# Allegro board LAY-93440_A.brd
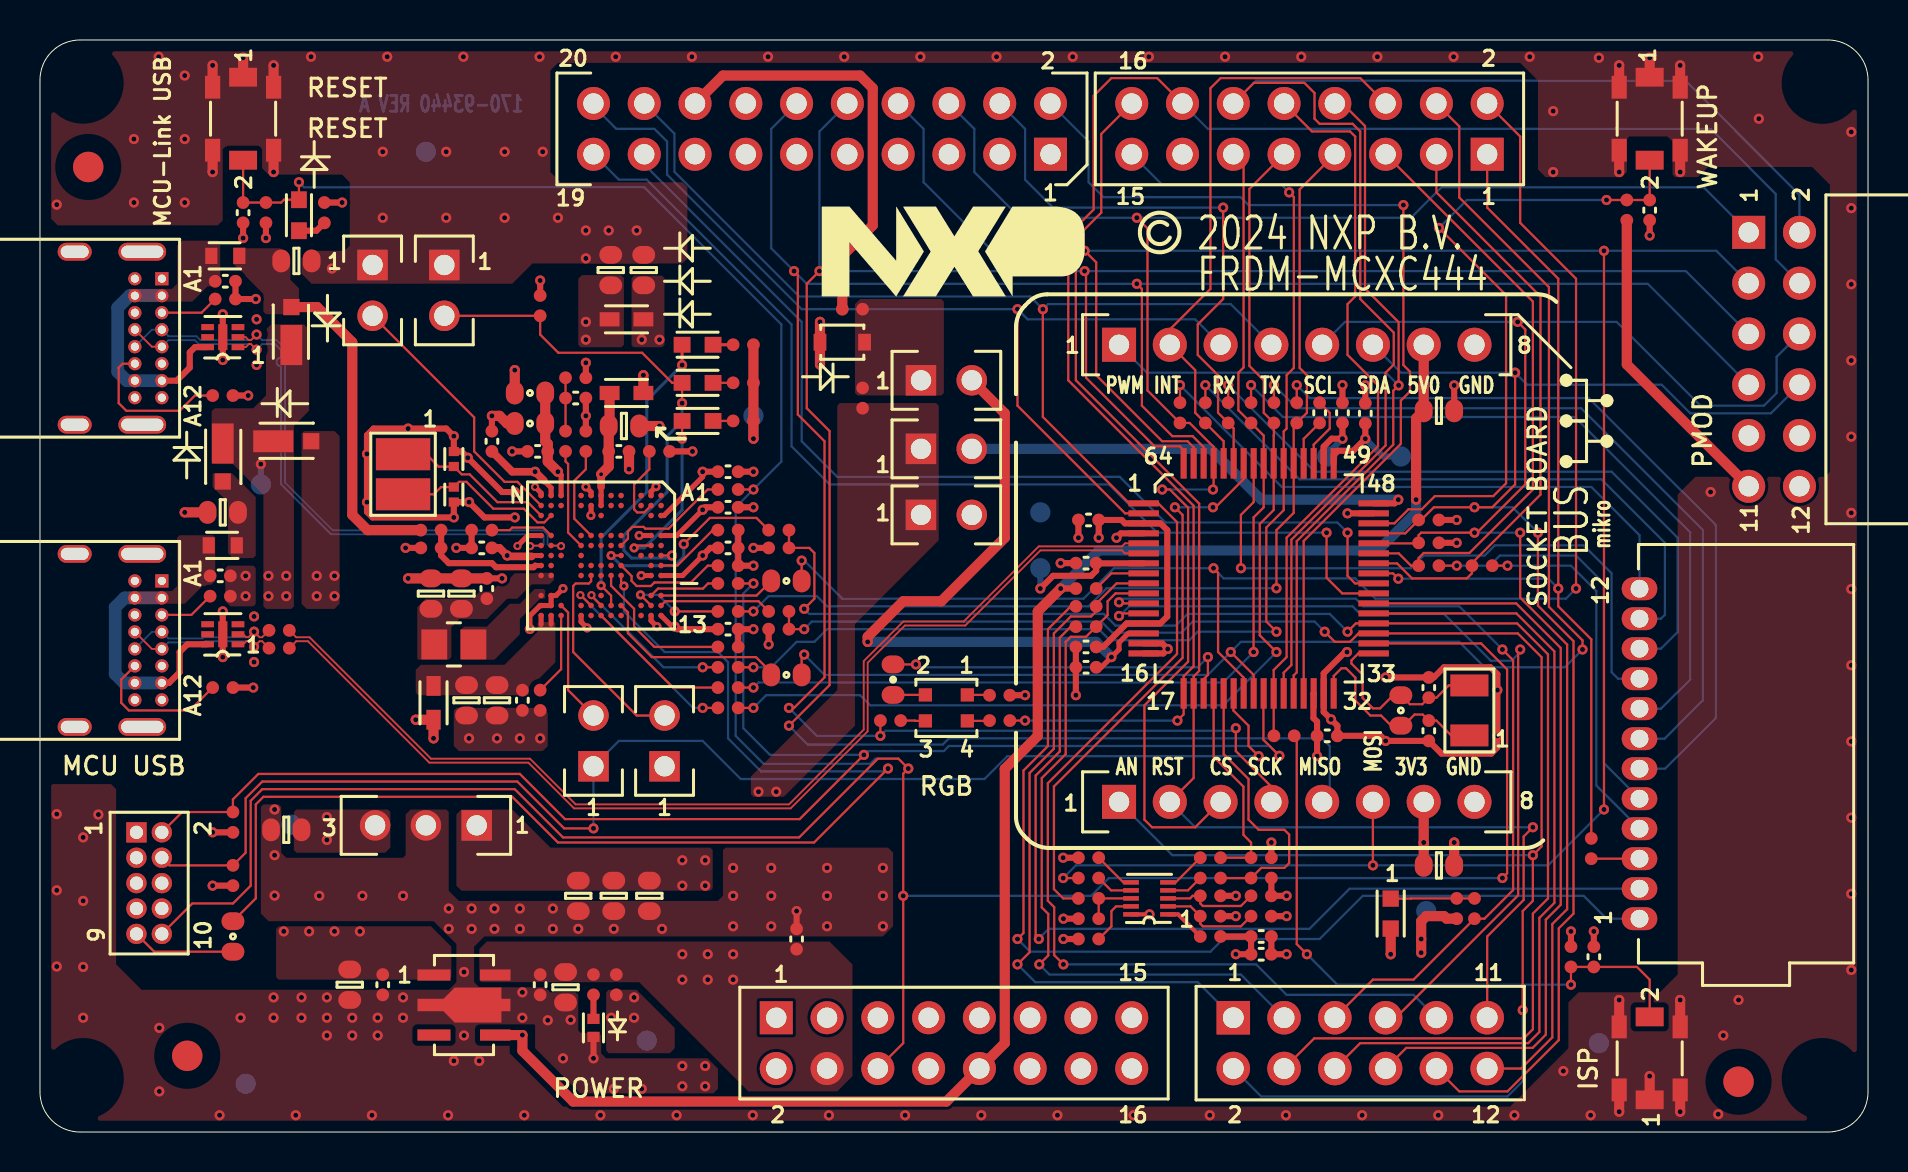
[diagram p0: board, top side]
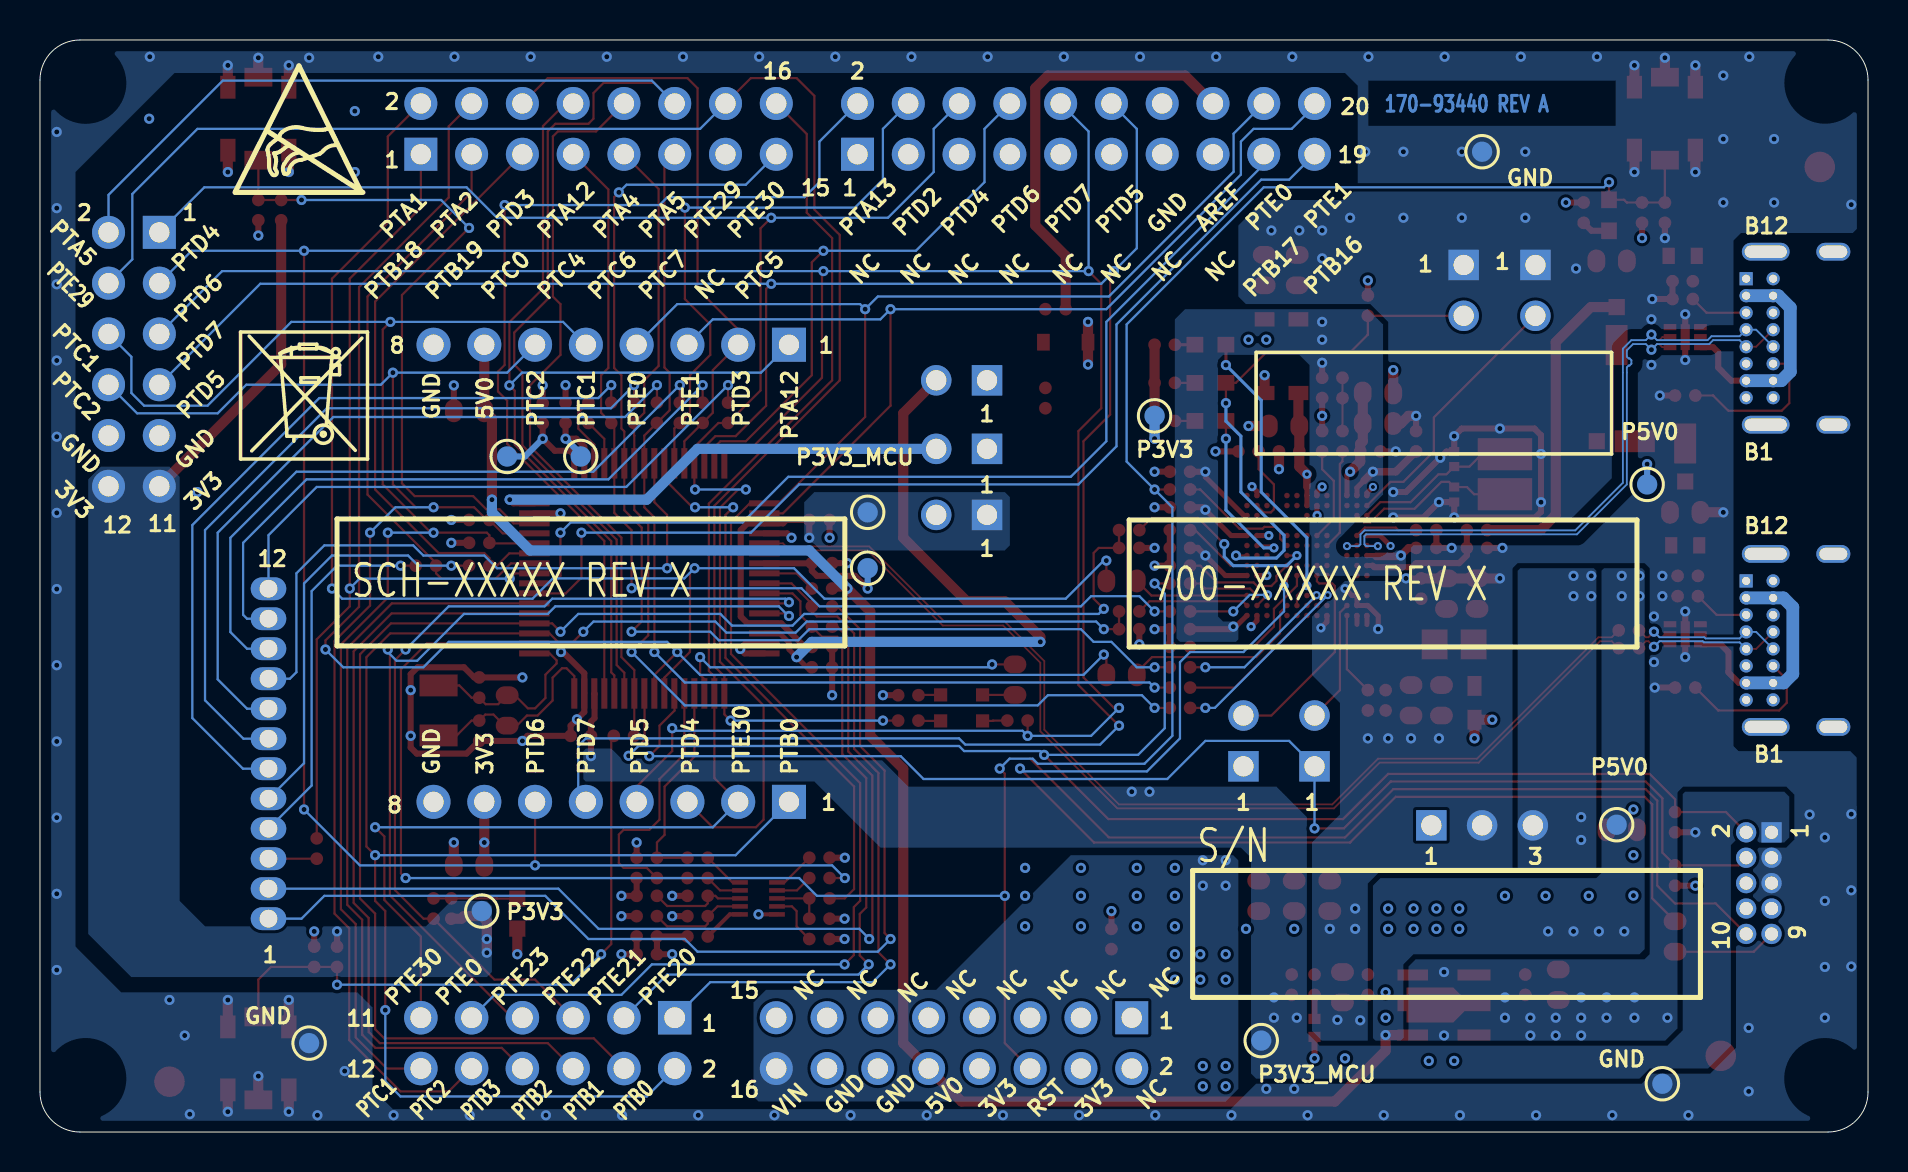
[diagram p1: board, bottom side, seen from below]

Outline 91.44 x 54.61 mm; copper layers: TOP, L2_GND, L3_POWER, BOTTOM. Coordinates in mm from the lower left corner of the outline.
Outline path: 0,52.61 0,2 arc(0.59,0.59) 2,0 89.44,0 arc(90.85,0.59) 91.44,2 91.44,52.61 arc(90.85,54.02) 89.44,54.61 2,54.61 arc(0.59,54.02) 0,52.61

## Design rules (mm)
constraint set DEFAULT: min track width 0.112, pair gap 0.112
net group DIFFPAIR0: nets FL_USB1_DM FL_USB1_DP
net group DIFFPAIR1: nets USB0_DM USB0_DP
net group DIFFPAIR2: nets N16808144 N16808148

## Placement (name value [footprint] x y rotation side)
C2  0.1UF  [CC0402_25]  52.32 24.26 180 top
C3  0.1UF  [CC0402_25]  64.39 19.81 0 top
C4  12PF  [CC0402_25]  69.47 22.23 90 top
C5  1000pF  [CC0402_25]  10.16 45.97 270 top
C6  12PF  [CC0402_25]  69.47 20.07 270 top
C7  0.1UF  [CC0402_25]  52.32 23.24 180 top
C8  0.1UF  [CC0402_25]  65.15 35.97 90 top
C9  0.1UF  [CC0402_25]  66.29 35.94 90 top
C10  1000pF  [CC0402_25]  80.52 46.1 270 top
C11  0.1UF  [CC0402_25]  64.01 35.97 90 top
C12  1000pF  [CC0402_25]  77.72 8.76 90 top
C13  2.2UF  [CC0402_25]  52.32 28.45 180 top
C14  0.1UF  [CC0402_25]  61.09 8.89 0 top
C15  1uF  [CC0402_25]  61.09 9.78 0 top
C16  2.2UF  [CC0402_25]  37.85 9.65 90 top
C17  10uF  [CC0603_OV]  30.48 11.81 270 top
C18  10uF  [CC0603_OV]  26.92 11.81 270 top
C19  10uF  [CC0603_OV]  28.7 11.81 270 top
C20  10uF  [CC0603_OV]  69.98 13.33 0 top
C21  10uF  [CC0603_OV]  69.98 36.07 0 top
C22  10uF  [CC0603_OV]  12.32 15.11 180 top
C23  4.7uF  [CC0603_OV]  15.49 7.37 270 top
C24  0.1UF  [CC0402_25]  25.02 7.37 270 top
C25  10uF  [CC0603_OV]  26.29 7.24 270 top
C26  0.1UF  [CC0402_25]  17.14 7.37 270 top
C27  4.7uF  [CC0603_OV]  9.14 30.99 180 top
C28  2.2UF  [CC0402_25]  9.02 27.81 0 top
C29  10uF  [CC0603_OV]  28.55 43.1 90 top
C30  0.1UF  [CC0402_25]  34.42 33.02 0 top
C31  0.1UF  [CC0402_25]  22.61 34.54 90 top
C32  0.1UF  [CC0402_25]  22.1 29.21 180 top
C33  10uF  [CC0603_OV]  30.2 43.1 90 top
C34  0.1UF  [CC0402_25]  34.42 31.24 0 top
C35  0.1UF  [CC0402_25]  26.8 36.7 0 top
C36  0.1UF  [CC0402_25]  28.96 34.04 0 top
C37  47pF  [CC0603_OV]  29.21 35.31 0 top
C38  47pF  [CC0603_OV]  21.08 26.92 90 top
C39  0.1UF  [CC0402_25]  22.35 27.18 90 top
C40  22uF  [CC0603_OV]  19.56 26.92 90 top
C41  22uF  [CC0603_OV]  21.34 21.59 270 top
C42  0.1UF  [CC0402_25]  24.13 21.59 270 top
C43  47pF  [CC0603_OV]  22.86 21.59 270 top
C44  12PF  [0402_CC]  20.7 31.88 270 top
C45  12PF  [0402_CC]  20.7 33.66 90 top
C46  0.1UF  [CC0402_25]  34.42 25.15 0 top
C47  0.1UF  [CC0402_25]  34.42 29.21 0 top
C48  4.7uF  [CC0603_OV]  12.83 43.56 0 top
C49  2.2UF  [CC0402_25]  9.27 42.55 0 top
C50  0.1UF  [CC0402_25]  24.89 34.04 180 top
C51  1uF  [CC0402_25]  52.45 30.61 180 top
D1  RED  [LED_0603]  12.95 45.85 90 top
D2  3.0V  [SOD-323-A]  40.13 39.5 180 top
D3  RGB  [LED4_2P7X2P6_SM]  45.34 21.21 180 top
D4  MSS1P3L  [SMB_2P7X1P4]  9.14 33.78 270 top
D5  YEL-GRN  [LED_1X0P6_SM]  27.69 5.21 90 top
D6  MSS1P3L  [SMB_2P7X1P4]  12.57 40.01 90 top
D7  MSS1P3L  [SMB_2P7X1P4]  12.32 34.54 0 top
D8  GREEN  [LED_0603]  32.89 39.37 180 top
D9  RED  [LED_0603]  32.89 37.47 180 top
D10  GREEN  [LED_0603]  32.89 35.56 180 top
DS1  LCD-S401M16KR  [LCD12_1P5MM_20P32X10P16MM_TH_NSP]  80.01 10.67 90 top
J1  CON 2x8  [CON_2X8_SKT_100_TH]  72.39 48.9 180 top
J2  CON 2x10  [CON_SKT2X10_TH]  50.55 48.9 270 top
J3  CON 2x8  [CON_2X8_SKT_100_TH]  36.83 5.71 0 top
J4  CON 2x6  [CON_SKT2X6_TH]  59.69 5.71 180 top
J5  SKT_1X8  [CON_1X8_SKT_2P54_TH_126L]  53.98 39.37 90 top
J6  SKT_1X8  [CON_1X8_SKT_2P54_TH_126L]  53.98 16.51 90 top
J7  PPPC062LJBN-RC  [SKT2X6_100_TH_RA]  85.47 44.99 0 top
J10  HDR 2X5  [HDR205_50_TH]  4.83 14.99 270 top
J11  HDR_1X3  [HDR103]  21.84 15.33 270 top
J12  USB_TYPE_C  [CON16_USB_TYPE-C_RA_TH]  6.1 27.56 270 top
J13  USB_TYPE_C  [CON16_USB_TYPE-C_RA_TH]  6.1 42.67 270 top
JP1  HDR 1X2  [HDR102_95L]  44.07 30.86 90 top
JP2  HDR 1X2  [HDR102_95L]  20.23 43.36 0 top
JP3  HDR 1X2  [HDR102_95L]  31.24 18.29 180 top
JP4  HDR 1X2  [HDR102_95L]  16.64 43.36 0 top
JP5  HDR 1X2  [HDR102_95L]  27.69 18.29 180 top
JP6  HDR 1X2  [HDR102_95L]  44.07 37.59 90 top
JP7  HDR 1X2  [HDR102_95L]  44.07 34.16 90 top
L1  330 OHM  [IND_1608]  9.14 29.34 0 top
L2  600OHM  [IND_1P8X1MM_SM]  29.34 40.64 180 top
L3  600OHM  [IND_1P8X1MM_SM]  29.34 36.96 180 top
L4  4.7uH  [IND_0805]  20.7 24.38 180 top
L5  600OHM  [IND_1P8X1MM_SM]  19.68 21.46 90 top
L6  330 OHM  [IND_1608]  9.27 43.82 0 top
MH1  125  [MH125-160]  2.15 52.46 0 top
MH2  125  [MH125-160]  89.15 52.45 0 top
MH3  125  [MH125-160]  2.16 2.67 0 top
MH4  125  [MH125-160]  89.15 2.67 0 top
NOREF  -  [unnamed]  84.96 2.51 0 top
NOREF#2  -  [#2]  90.54 8.63 90 top
NOREF#3  -  [#2]  36.83 3.17 0 top
NOREF#4  -  [#2]  15.31 6.05 90 top
NOREF#5  -  [#2]  80.52 48.6 90 top
NOREF#6  -  [#2]  28.49 40.64 0 top
NOREF#7  -  [#2]  78.99 5.26 90 top
NOREF#8  -  [#2]  2.16 2.67 0 top
NOREF#9  -  [#2]  4.83 9.91 90 top
NOREF#10  -  [#2]  19.68 20.62 90 top
NOREF#11  -  [#2]  19.71 7.85 0 top
NOREF#12  -  [#2]  85.47 42.45 90 top
NOREF#13  -  [#2]  -2.66 29.16 0 top
NOREF#14  -  [#2]  -12.34 -178.97 0 top
NOREF#15  -  [#2]  19.18 20.56 0 top
NOREF#16  -  [#2]  6.1 26.71 90 top
NOREF#17  -  [#2]  80.52 48.6 90 top
NOREF#18  -  [#2]  64.21 33.44 0 top
NOREF#19  -  [#2]  15.31 8.65 0 top
NOREF#20  -  [#2]  68.8 26.48 90 top
NOREF#21  -  [#2]  6.49 29.16 90 top
NOREF#22  -  [#2]  79.07 4.63 90 top
NOREF#23  -  [#2]  68.8 26.48 0 top
NOREF#24  -  [#2]  44.29 20.56 0 top
NOREF#25  -  [#2]  10.16 48.6 90 top
NOREF#26  -  [#2]  0 52.61 0 top
NOREF#27  -  [#2]  -11.81 34.8 90 top
NOREF#28  -  [#2]  1.74 20.26 0 top
NOREF#29  -  [#2]  111.11 8.63 90 top
NOREF#30  -  [#2]  19.18 20.56 90 top
NOREF#31  -  [#2]  90.54 8.63 0 top
NOREF#32  -  [#2]  1.74 35.37 90 top
NOREF#33  -  [#2]  28.01 4.68 0 top
NOREF#34  -  [#2]  43.99 19.96 90 top
NOREF#35  -  [#2]  27.69 4.76 90 top
NOREF#36  -  [#2]  3.69 15.81 0 top
NOREF#37  -  [#2]  87.35 -34.82 0 top
NOREF#38  -  [unnamed]  7.37 3.81 0 top
NOREF#39  -  [unnamed]  2.41 48.26 0 top
NOREF#40  -  [#2]  54.61 3.17 90 top
NOREF#41  -  [#2]  39.37 3.17 0 top
NOREF#42  -  [#2]  7.71 48.72 90 top
NOREF#43  -  [#2]  29.95 -14.01 90 top
NOREF#44  -  [#2]  2.16 2.67 0 top
NOREF#45  -  [#2]  29.95 -14.01 0 top
NOREF#46  -  [#2]  90.54 15.84 90 top
NOREF#47  -  [#2]  30.24 40.14 90 top
NOREF#48  -  [#2]  7.71 48.72 0 top
NOREF#49  -  [#2]  1.74 20.26 90 top
NOREF#50  -  [#2]  80.52 1.61 90 top
NOREF#51  -  [#2]  -297.46 -258.98 0 top
NOREF#52  -  [#2]  82.04 2.11 90 top
NOREF#53  -  [#2]  30.61 33.91 0 top
NOREF#54  -  [#2]  28.44 36.46 0 top
NOREF#55  -  [#2]  2.16 2.67 0 top
NOREF#56  -  [#2]  1.74 35.37 0 top
NOREF#57  -  [#2]  85.87 48.72 90 top
NOREF#58  -  [#2]  4.83 14.99 0 top
NOREF#59  -  [#2]  28.44 40.14 0 top
NOREF#60  -  [#2]  67.31 51.44 0 top
NOREF#61  -  [#2]  43.99 22.46 0 top
NOREF#62  -  [#2]  28.49 36.96 0 top
NOREF#63  -  [#2]  6.1 41.82 90 top
NOREF#64  -  [#2]  80.01 27.17 0 top
NOREF#65  -  [#2]  30.24 36.46 90 top
NOREF#66  -  [#2]  4.83 13.72 90 top
NOREF#67  -  [#2]  28.01 3.63 90 top
NOREF#68  -  [#2]  54.61 48.9 90 top
NOREF#69  -  [#2]  44.29 20.56 90 top
NOREF#70  -  [#2]  81.97 2.73 0 top
NOREF#71  -  [#2]  10.16 48.6 90 top
NOREF#72  -  [#2]  3.69 9.08 90 top
NOREF#73  -  [#2]  19.71 4.85 0 top
NOREF#74  -  [#2]  80.01 10.67 90 top
NOREF#75  -  [#2]  89.51 30.6 0 top
NOREF#76  -  [#2]  88.01 32.29 0 top
NOREF#77  -  [#2]  89.44 0 90 top
NOREF#78  -  [#2]  79.07 45.82 0 top
NOREF#79  -  [#2]  98.21 30.6 90 top
NOREF#80  -  [#2]  80.01 10.67 0 top
NOREF#81  -  [#2]  78.99 49.1 90 top
NOREF#82  -  [#2]  56.01 44.96 0 top
NOREF#83  -  [#2]  39.12 41.78 0 top
NOREF#84  -  [#2]  4.75 21.61 0 top
NOREF#85  -  [#2]  89.42 11.84 0 top
NOREF#86  -  [#2]  85.47 32.29 0 top
NOREF#87  -  [#2]  80.01 10.67 90 top
NOREF#88  -  [#2]  8.63 49.1 90 top
NOREF#89  -  [#2]  54.61 51.44 0 top
NOREF#90  -  [#2]  89.42 11.84 90 top
NOREF#91  -  [#2]  4.75 36.72 0 top
NOREF#92  -  [#2]  -11.81 44.27 0 top
NOREF#93  -  [#2]  -272.82 262.61 0 top
NOREF#94  -  [#2]  81.66 46.99 180 bottom
NOREF#95  -  [#2]  36.96 24.26 180 bottom
NOREF#96  -  [#2]  81.41 33.66 180 bottom
NOREF#97  -  [#2]  76.58 24.31 180 bottom
NOREF#98  -  [#2]  33.78 6.73 180 bottom
NOREF#99  -  [#2]  30.61 33.91 180 bottom
Q1  ALS-PT19-315C/L177/TR8  [PHTRANS_1P9X1]  67.56 10.92 270 top
R1  10K  [RC0402_25]  11.3 45.97 90 top
R2  470  [RC0402_25]  14.22 45.97 270 top
R3  1M  [RC0603_OV]  68.07 21.08 270 top
R4  0  [RC0402_25]  40.64 41.15 0 top
R5  0  [RC0402_25]  62.23 19.81 0 top
R6  0  [RC0402_25]  52.32 27.18 0 top
R7  0  [RC0402_25]  41.15 36.7 90 top
R8  0  [RC0402_25]  77.6 14.18 270 top
R9  10K  [RC0402_25]  79.38 46.1 90 top
R10  0  [RC0402_25]  72.14 28.32 0 top
R11  0  [RC0402_25]  69.47 28.32 0 top
R12  0  [RC0402_25]  62.87 35.97 90 top
R13  0  [RC0402_25]  60.58 35.97 90 top
R14  0  [RC0402_25]  61.72 35.97 90 top
R15  10K  [RC0402_25]  76.58 8.76 270 top
R16  0  [RC0402_25]  59.44 35.97 90 top
R17  0  [RC0402_25]  57.02 35.97 90 top
R18  0  [RC0402_25]  58.29 35.97 90 top
R19  0  [RC0402_25]  52.32 25.27 180 top
R20  0  [RC0402_25]  52.32 26.29 180 top
R22  680  [RC0603_OV]  42.67 22.62 90 top
R23  470  [RC0402_25]  42.55 20.57 180 top
R24  2.0K  [RC0603_OV]  9.65 9.78 270 top
R25  470  [RC0402_25]  48.01 20.57 0 top
R26  4.7K  [RC0402_25]  69.47 30.61 180 top
R27  4.7K  [RC0402_25]  69.47 29.46 180 top
R28  0  [RC0402_25]  58.55 9.78 180 top
R29  4.7K  [RC0402_25]  61.09 13.72 180 top
R30  10K  [RC0402_25]  61.09 10.79 0 top
R31  100K  [RC0402_25]  61.09 11.81 180 top
R32  4.7K  [RC0402_25]  52.45 10.67 0 top
R33  4.7K  [RC0402_25]  52.45 13.72 0 top
R34  4.7K  [RC0402_25]  61.09 12.7 180 top
R35  10K  [RC0402_25]  58.55 10.79 180 top
R36  10K  [RC0402_25]  58.55 11.81 0 top
R37  0  [RC0402_25]  58.55 13.72 0 top
R38  0  [RC0402_25]  58.55 12.7 180 top
R39  0  [RC0402_25]  52.45 11.68 0 top
R40  0  [RC0402_25]  52.45 12.7 180 top
R41  10K  [RC0402_25]  52.45 9.65 180 top
R42  10K  [RC0402_25]  70.87 11.18 90 top
R43  0  [RC0402_25]  28.83 7.37 270 top
R44  470  [RC0402_25]  27.69 7.37 270 top
R45  33  [RC0402_25]  11.96 24.2 0 top
R46  5.1K  [RC0402_25]  9.02 26.8 0 top
R47  33  [RC0402_25]  11.96 25.09 0 top
R48  5.1K  [RC0402_25]  9.14 22.23 0 top
R49  10K  [RC0402_25]  26.8 37.72 180 top
R50  100  [RC0402_25]  26.29 34.54 270 top
R51  510  [RC0402_25]  35.18 39.37 180 top
R52  510  [RC0402_25]  35.18 37.47 180 top
R53  510  [RC0402_25]  35.18 35.56 180 top
R54  0  [RC0402_25]  19.56 30.1 0 top
R55  5.1K  [RC0402_25]  9.27 41.66 0 top
R56  5.1K  [RC0402_25]  9.14 36.83 0 top
R57  20K  [RC0402_25]  19.56 29.21 180 top
R58  2.0K  [RC0603_OV]  24.51 36.96 0 top
R59  2.0K  [RC0603_OV]  24.51 35.43 180 top
R60  100K  [RC0402_25]  25.02 41.33 270 top
R61  1K  [RC0402_25]  25.02 21.59 270 top
R62  1K  [RC0402_25]  34.42 28.32 0 top
R63  1K  [RC0402_25]  34.42 30.1 0 top
R64  1K  [RC0402_25]  34.42 24.26 0 top
R65  1K  [RC0402_25]  30.99 34.04 0 top
R66  1K  [RC0402_25]  22.1 30.1 180 top
R67  1K  [RC0402_25]  27.3 34.54 90 top
R68  0  [RC0402_25]  34.42 27.43 0 top
R69  0  [RC0402_25]  34.42 32.13 0 top
R70  330  [RC0603_OV]  37.34 22.86 0 top
R71  330  [RC0603_OV]  37.34 27.56 0 top
R72  0  [RC0402_25]  34.42 26.03 0 top
R73  0  [RC0402_25]  34.42 23.24 0 top
R74  0  [RC0402_25]  34.42 21.21 0 top
R75  0  [RC0402_25]  34.42 22.23 0 top
R76  2.2K  [RC0402_25]  36.96 25.15 0 top
R77  2.2K  [RC0402_25]  36.96 29.21 0 top
R78  0  [RC0402_25]  36.96 30.1 0 top
R79  0  [RC0402_25]  36.96 26.03 0 top
R80  100K  [RC0402_25]  9.65 15.49 90 top
R81  100K  [RC0402_25]  9.65 12.83 270 top
R82  0  [RC0402_25]  71.76 11.18 90 top
R83  0  [RC0402_25]  48.01 21.84 0 top
SW1  PTS820 J25M SMTR LFS  [SW6_4P15_4P6X2P9_98H]  10.16 50.67 270 top
SW2  PTS820 J25M SMTR LFS  [SW6_4P15_4P6X2P9_98H]  80.52 50.67 270 top
SW3  PTS820 J25M SMTR LFS  [SW6_4P15_4P6X2P9_98H]  80.52 3.68 90 top
TP1  -  [TPAD_040]  64.39 33.78 180 bottom
TP2  -  [TPAD_040]  68.07 33.78 180 bottom
TP3  -  [TPAD_040]  30.35 4.57 180 bottom
TP4  -  [TPAD_040]  50.04 28.19 180 bottom
TP5  -  [TPAD_040]  10.29 2.41 90 bottom
TP6  -  [TPAD_040]  19.3 49.02 270 bottom
TP7  -  [TPAD_040]  77.98 4.45 180 bottom
TP8  -  [TPAD_040]  69.34 11.05 180 bottom
TP9  -  [TPAD_040]  11.05 32.38 180 bottom
TP10  -  [TPAD_040]  35.69 35.81 180 bottom
TP11  -  [TPAD_040]  12.57 15.37 180 bottom
TP12  -  [TPAD_040]  50.04 30.99 180 bottom
U1  MCXC444VLH  [LQFP64]  60.96 27.69 0 top
U2  FXLS8974CFR3  [DFN_10_0P4_2X2]  55.5 11.68 180 top
U3  XC6227C331PR-G  [SOT89-5]  21.21 6.35 270 top
U4  RClamp0854P.TCT  [SLP1616P6]  9.14 24.89 90 top
U5  LPC55S69JEV98  [BGA98_0P5_7X7]  28.07 28.83 270 top
U6  RClamp0854P.TCT  [SLP1616P6]  9.14 39.75 90 top
Y1  32.768KHZ  [XTAL2-3P2X1P5-SM]  71.5 21.08 90 top
Y2  16MHz  [XTAL2_3P3X2P6]  18.16 32.89 270 top

## Library data of the parts
C2-C51 = CAP_NP
D1 D5 D8-D10 = LED
D2 = ZDIODE
D3 = LRTBR48G_4P
D4 D6 D7 = DIODE_SCHTKY
DS1 = LCD_S401M16KR_12P
J1 J3 = CONN_HDR_8X2
J2 = CONN_HDR_10X2
J4 J7 = CONN_HDR_6X2
J5 J6 = CONN_HDR_8X1
J10 = CONN_HDR_5X2
J11 = CONN_HDR_3X1
J12 J13 = USB16_TYPEC_4SH
JP1-JP7 = CONN_HDR_2X1
L1 L6 = BEAD
L2-L5 = INDUCTOR
MH1-MH4 = MOUNT_HOLE
Q1 = PT12_PHTRANS_2P
R1 R3-R20 R22 R24 R26-R43 R45-R83 = RES
R2 R23 R25 R44 = RES: tolerance: 1%
SW1-SW3 = PTS820J20MSMTRLFS_6P
TP1-TP12 = TESTLOOP
U1 = PKL43Z_LQFP64
U2 = FXLS8962AF_DFN10
U3 = XC6227C_5P
U4 U6 = RCLAMP1654P_NEW
U5 = NIOBE4_MINI_FBGA98
Y1 Y2 = XTAL

## Footprints (pads in the part's own frame, mm; a bottom-side part is the same pattern mirrored in y, then rotated)
0402_CC
  rect 0.457x0.508 smd: 1(-0.375,0) 2(0.375,0)
BGA98_0P5_7X7
  round 0.279 smd: A1(-3,3) A2(-2.5,3) A3(-2,3) A5(-1,3) A6(-0.5,3) A7(0,3) A8(0.5,3) A9(1,3) A11(2,3) A12(2.5,3) A13(3,3) B1(-3,2.5) B2(-2.5,2.5) B3(-2,2.5) B5(-1,2.5) B6(-0.5,2.5) B7(0,2.5) B8(0.5,2.5) B9(1,2.5) B11(2,2.5) B12(2.5,2.5) B13(3,2.5) C1(-3,2) C2(-2.5,2) C7(0,2) C12(2.5,2) C13(3,2) E1(-3,1) E2(-2.5,1) E5(-1,1) E6(-0.5,1) E7(0,1) E8(0.5,1) E9(1,1) E12(2.5,1) E13(3,1) F1(-3,0.5) F2(-2.5,0.5) F5(-1,0.5) F6(-0.5,0.5) F8(0.5,0.5) F9(1,0.5) F12(2.5,0.5) F13(3,0.5) G1(-3,0) G2(-2.5,0) G3(-2,0) G5(-1,0) G6(-0.5,0) G8(0.5,0) G9(1,0) G11(2,0) G12(2.5,0) G13(3,0) H1(-3,-0.5) H2(-2.5,-0.5) H5(-1,-0.5) H6(-0.5,-0.5) H8(0.5,-0.5) H9(1,-0.5) H12(2.5,-0.5) H13(3,-0.5) J1(-3,-1) J2(-2.5,-1) J5(-1,-1) J6(-0.5,-1) J7(0,-1) J8(0.5,-1) J9(1,-1) J12(2.5,-1) J13(3,-1) L1(-3,-2) L2(-2.5,-2) L7(0,-2) L12(2.5,-2) L13(3,-2) M1(-3,-2.5) M2(-2.5,-2.5) M3(-2,-2.5) M5(-1,-2.5) M6(-0.5,-2.5) M7(0,-2.5) M8(0.5,-2.5) M9(1,-2.5) M11(2,-2.5) M12(2.5,-2.5) M13(3,-2.5) N1(-3,-3) N2(-2.5,-3) N3(-2,-3) N5(-1,-3) N6(-0.5,-3) N7(0,-3) N8(0.5,-3) N9(1,-3) N11(2,-3) N12(2.5,-3) N13(3,-3)
CC0402_25
  round 0.635 smd: 1(-0.508,0) 2(0.508,0)
CC0603_OV
  oval 0.889x1.143 smd: 1(-0.762,0) 2(0.762,0)
CON16_USB_TYPE-C_RA_TH
  rect 0.66x0.66 hole 0.406: A1(0,0)
  round 0.66 hole 0.406: A4(0.85,0) A5(1.7,0) A6(2.55,0) A7(3.4,0) A8(4.25,0) A9(5.1,0) A12(5.95,0) B1(5.95,-1.35) B4(5.1,-1.35) B5(4.25,-1.35) B6(3.4,-1.35) B7(2.55,-1.35) B8(1.7,-1.35) B9(0.85,-1.35) B12(0,-1.35)
  oval 0.889x2.388 hole 0.61x2.108: SH1(-1.35,-0.98) SH2(7.3,-0.98)
  oval 0.889x1.702 hole 0.61x1.397: SH3(-1.35,-4.36) SH4(7.3,-4.36)
CON_1X8_SKT_2P54_TH_126L
  rect 1.702x1.702 hole 1.016: 1(0,0)
  round 1.702 hole 1.016: 2(0,-2.54) 3(0,-5.08) 4(0,-7.62) 5(0,-10.16) 6(0,-12.7) 7(0,-15.24) 8(0,-17.78)
CON_2X8_SKT_100_TH
  rect 1.651x1.651 hole 1.016: 1(0,0)
  round 1.651 hole 1.016: 2(0,-2.54) 3(2.54,0) 4(2.54,-2.54) 5(5.08,0) 6(5.08,-2.54) 7(7.62,0) 8(7.62,-2.54) 9(10.16,0) 10(10.16,-2.54) 11(12.7,0) 12(12.7,-2.54) 13(15.24,0) 14(15.24,-2.54) 15(17.78,0) 16(17.78,-2.54)
CON_SKT2X6_TH
  rect 1.676x1.676 hole 1.041: 1(0,0)
  round 1.676 hole 1.041: 2(0,2.54) 3(-2.54,0) 4(-2.54,2.54) 5(-5.08,0) 6(-5.08,2.54) 7(-7.62,0) 8(-7.62,2.54) 9(-10.16,0) 10(-10.16,2.54) 11(-12.7,0) 12(-12.7,2.54)
CON_SKT2X10_TH
  rect 1.651x1.651 hole 1.016: 1(0,0)
  round 1.651 hole 1.016: 2(-2.54,0) 3(0,-2.54) 4(-2.54,-2.54) 5(0,-5.08) 6(-2.54,-5.08) 7(0,-7.62) 8(-2.54,-7.62) 9(0,-10.16) 10(-2.54,-10.16) 11(0,-12.7) 12(-2.54,-12.7) 13(0,-15.24) 14(-2.54,-15.24) 15(0,-17.78) 16(-2.54,-17.78) 17(0,-20.32) 18(-2.54,-20.32) 19(0,-22.86) 20(-2.54,-22.86)
DFN_10_0P4_2X2
  rect 0.787x0.229 smd: 1(-0.925,0.8) 2(-0.925,0.4) 3(-0.925,0) 4(-0.925,-0.4) 5(-0.925,-0.8) 6(0.925,-0.8) 7(0.925,-0.4) 8(0.925,0) 9(0.925,0.4) 10(0.925,0.8)
HDR102_95L
  rect 1.524x1.524 hole 1.016: 1(0,0)
  round 1.524 hole 1.016: 2(0,-2.54)
HDR103
  rect 1.524x1.524 hole 1.016: 1(0,0)
  round 1.524 hole 1.016: 2(0,-2.54) 3(0,-5.08)
HDR205_50_TH
  rect 1.016x1.016 hole 0.66: 1(0,0)
  round 1.016 hole 0.66: 2(0,1.27) 3(1.27,0) 4(1.27,1.27) 5(2.54,0) 6(2.54,1.27) 7(3.81,0) 8(3.81,1.27) 9(5.08,0) 10(5.08,1.27)
IND_1P8X1MM_SM
  rect 0.991x0.711 smd: 1(-0.846,0) 2(0.846,0)
IND_0805
  rect 1.295x1.499 smd: 1(-0.978,0) 2(0.978,0)
IND_1608
  rect 0.61x0.813 smd: 1(-0.701,0) 2(0.701,0)
LCD12_1P5MM_20P32X10P16MM_TH_NSP
  oval 1.143x1.778 hole 0.889: 1(0,0) 2(1.5,0) 3(3,0) 4(4.5,0) 5(6,0) 6(7.5,0) 7(9,0) 8(10.5,0) 9(12,0) 10(13.5,0) 11(15,0) 12(16.5,0)
LED4_2P7X2P6_SM
  rect 0.66x0.66 smd: 1(-1.049,-0.65) 2(1.049,-0.65) 3(1.049,0.65) 4(-1.049,0.65)
LED_1X0P6_SM
  rect 0.508x0.61 smd: A(0.45,0) C(-0.45,0)
LED_0603
  rect 0.838x0.787 smd: A(-0.775,0) C(0.775,0)
LQFP64
  rect 1.524x0.305 smd: 1(-5.753,3.753) 2(-5.753,3.252) 3(-5.753,2.752) 4(-5.753,2.252) 5(-5.753,1.751) 6(-5.753,1.251) 7(-5.753,0.751) 8(-5.753,0.25) 9(-5.753,-0.25) 10(-5.753,-0.751) 11(-5.753,-1.251) 12(-5.753,-1.751) 13(-5.753,-2.252) 14(-5.753,-2.752) 15(-5.753,-3.252) 16(-5.753,-3.753) 33(5.753,-3.753) 34(5.753,-3.252) 35(5.753,-2.752) 36(5.753,-2.252) 37(5.753,-1.751) 38(5.753,-1.251) 39(5.753,-0.751) 40(5.753,-0.25) 41(5.753,0.25) 42(5.753,0.751) 43(5.753,1.251) 44(5.753,1.751) 45(5.753,2.252) 46(5.753,2.752) 47(5.753,3.252) 48(5.753,3.753)
  rect 0.305x1.524 smd: 17(-3.753,-5.753) 18(-3.252,-5.753) 19(-2.752,-5.753) 20(-2.252,-5.753) 21(-1.751,-5.753) 22(-1.251,-5.753) 23(-0.751,-5.753) 24(-0.25,-5.753) 25(0.25,-5.753) 26(0.751,-5.753) 27(1.251,-5.753) 28(1.751,-5.753) 29(2.252,-5.753) 30(2.752,-5.753) 31(3.252,-5.753) 32(3.753,-5.753) 49(3.753,5.753) 50(3.252,5.753) 51(2.752,5.753) 52(2.252,5.753) 53(1.751,5.753) 54(1.251,5.753) 55(0.751,5.753) 56(0.25,5.753) 57(-0.25,5.753) 58(-0.751,5.753) 59(-1.251,5.753) 60(-1.751,5.753) 61(-2.252,5.753) 62(-2.752,5.753) 63(-3.252,5.753) 64(-3.753,5.753)
MH125-160
  round 0 hole 3.175 unplated: (0,0)
PHTRANS_1P9X1
  rect 0.813x0.813 smd: 1(-0.75,0) 2(0.75,0)
RC0402_25
  round 0.635 smd: 1(-0.508,0) 2(0.508,0)
RC0603_OV
  oval 0.889x1.143 smd: 1(-0.762,0) 2(0.762,0)
SKT2X6_100_TH_RA
  rect 1.651x1.651 hole 1.016: 1(0,0)
  round 1.651 hole 1.016: 2(2.54,0) 3(0,-2.54) 4(2.54,-2.54) 5(0,-5.08) 6(2.54,-5.08) 7(0,-7.62) 8(2.54,-7.62) 9(0,-10.16) 10(2.54,-10.16) 11(0,-12.7) 12(2.54,-12.7)
SLP1616P6
  rect 0.305x0.635 smd: 1(-0.5,-0.759) 2(0,-0.759) 3(0.5,-0.759) 4(0.5,0.759) 5(0,0.759) 6(-0.5,0.759)
  rect 1.295x0.457 smd: 7(0,0)
SMB_2P7X1P4
  rect 0.813x0.813 smd: A(1.25,0)
  rect 2.007x1.092 smd: C(-0.65,0)
SOD-323-A
  rect 0.635x0.838 smd: A(1.115,0) C(-1.115,0)
SOT89-5
  rect 0.559x1.651 smd: 1(-1.501,-1.501) 3(1.501,-1.501)
  custom 1.748x4.648 smd: 2(0,0)
  rect 0.559x1.524 smd: 4(1.501,1.565) 5(-1.501,1.565)
SW6_4P15_4P6X2P9_98H
  rect 0.94x1.397 smd: 1(-2.075,0) 2(2.075,0)
  rect 1.143x0.762 smd: 3(-1.575,1.525) 4(1.575,1.525) 5(-1.575,-1.525) 6(1.575,-1.525)
TPAD_040
  round 1.016 smd: 1(0,0)
unnamed
  round 1.524 smd: (0,0)
XTAL2-3P2X1P5-SM
  rect 1.092x1.905 smd: 1(-1.25,0) 2(1.25,0)
XTAL2_3P3X2P6
  rect 1.6x2.718 smd: 1(-1.001,0) 2(1.001,0)
